# Altium PCB DAC_Sources.PcbDoc (part 7 of 8) (continued)
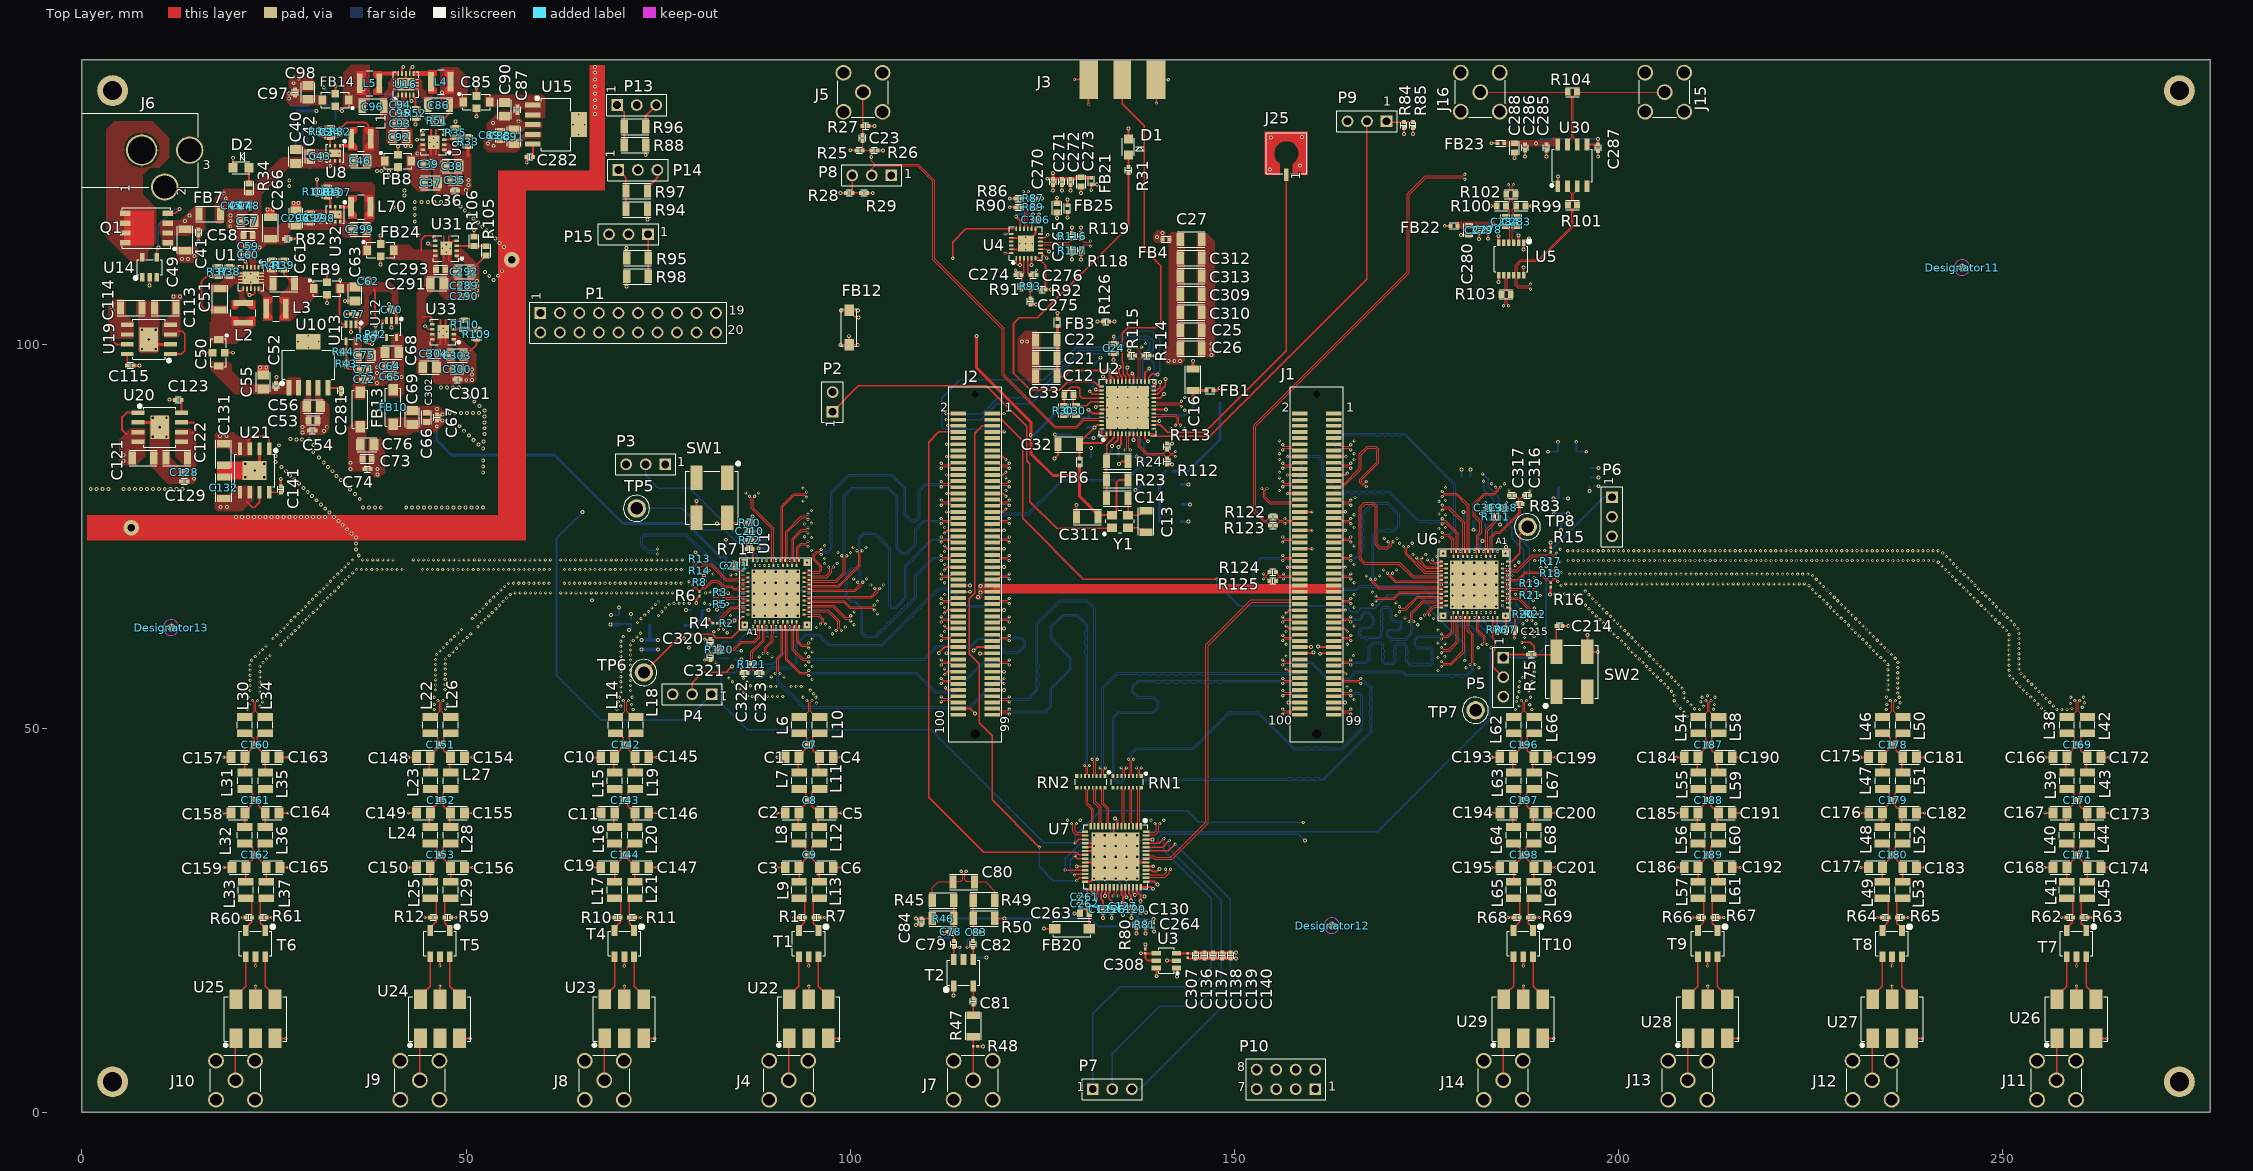
[diagram p0: Top Layer view]
## Nets (pads, with @x,y where several pads share a name; then routed paths per layer and width w, separated by ;. In a path a pad name is that pad's centre, name@x,y a point inside that pad or via, vN(x,y) a via of type N, cw(c..) or ccw(c..) an arc to the next point about the centre after c; other vN are vias at no path point) (continued)
  Top Layer w0.191: v1(120.15,114.34) U4.19@120.97,114.34
  SIG_03 w0.152: P14.2@72.37,122.67 80.7,114.34 v1(120.15,114.34)
S2_1: P13.2 U4.24 | length 63.7
  Top Layer w0.191: v1(120.15,111.84) U4.24@120.97,111.84
  SIG_03 w0.152: P13.2@72.21,131.11 72.21,124.44 71.09,123.32 71.09,122 81.25,111.84 v1(120.15,111.84)
SDO: J2.6 U1.B27 U2.23 U6.B27 U7.17 | length 272.6
  Top Layer w0.191: v1(112.67,89.41) 112.692,89.388 114.053,89.388 J2.6@114.075,89.367 ; v1(129.28,35.09) 129.726,35.536 U7.17@130.6,35.536 ; U2.23@139.52,93.98 139.9,93.98 140.33,94.41 v2(140.33,95.05)
  SIG_03 w0.152: v3(89.43,71.168) 89.73,71.468 89.73,72.26 89.14,72.85 87.8,72.85 85.565,75.085 85.565,81.99 88.315,84.74 101.47,84.74 106.14,89.41 v1(112.67,89.41) ; v2(140.33,95.05) 140.33,93.253 140.057,92.98 140.057,92.498 140.478,92.078 141.242,92.078 142.35,90.97 146.73,90.97 146.96,90.74 172.02,90.74 178.58,84.18 178.58,72.7 178.97,72.31 178.97,64.15 179.227,63.893 181.83,63.893 ; v1(158.96,37.76) 168.97,37.76 178.08,46.87 178.08,59.41 181.83,63.16 181.83,63.893 ; v3(182.13,65.05) 181.83,64.75 181.83,63.893
  Bottom Layer w0.191: v3(89.43,71.168) 89.43,70.02 89.63,69.82 89.63,65.62 89.9,65.35 92.13,65.35 92.43,65.05 92.43,64.25 91.53,63.35 91.53,59.95 89.93,58.35 85.59,58.35 85.24,58 85.24,57.46 84.98,57.2 83.46,57.2 83.2,56.94 83.2,53.28 86.65,49.83 110.48,49.83 125.22,35.09 v1(129.28,35.09) 129.28,36.031 132.519,39.27 143.84,39.27 145.35,37.76 v1(158.96,37.76)
SP_SDFS: J2.8 U7.21 | length 74.1
  Top Layer w0.191: J2.8@114.075,88.567 111.537,88.567 110.21,87.24 110.21,41.03 117.37,33.87 129.42,33.87 129.754,33.536 U7.21@130.6,33.536
SPI_CLK: J2.2 U1.A31 U2.24 U6.A31 U7.22 U7.26 | length 246.4
  Top Layer w0.191: v1(112.493,90.967) J2.2@114.075,90.967 ; v1(129.2,30.89) 129.346,31.036 U7.26@130.6,31.036 ; v1(129.24,33.4) 129.604,33.036 U7.22@130.6,33.036 ; U2.24@139.52,94.48 v2(139.52,95.06)
  SIG_03 w0.152: v3(88.53,71.89) 88.16,72.26 87.38,72.26 84.93,74.71 84.93,82.62 87.96,85.65 100.97,85.65 106.287,90.967 v1(112.493,90.967) ; v2(139.52,95.06) 140.033,95.573 140.169,95.573 141.117,96.52 178.07,96.52 182.96,91.63 182.96,82.67 v1(182.44,82.15) ; v2(159.18,35.39) 169.73,35.39 178.58,44.24 178.58,59.12 183.03,63.57 v3(183.03,64.4)
  Bottom Layer w0.191: v1(112.493,90.967) 117.177,90.967 119.2,92.99 123.69,92.99 129.87,99.17 134.03,99.17 135.9,101.04 138.82,101.04 139.43,100.43 139.43,99.25 139.065,98.885 139.065,97.935 139.504,97.496 139.504,95.076 v2(139.52,95.06) ; v1(129.2,30.89) 128.63,31.46 128.63,32.8 129.23,33.4 v1(129.24,33.4) 129.24,33.41 129.81,33.98 138.812,33.98 140.097,35.265 140.097,35.767 140.53,36.2 158.37,36.2 v2(159.18,35.39) ; v1(182.44,82.15) 182.44,81.05 183.771,79.719 183.771,78.499 186.12,76.15 186.12,74.78 187.66,73.24 187.66,69.154 187.906,68.907 187.906,65.313 187.66,65.066 187.66,65.06 186.349,63.749 183.681,63.749 v3(183.03,64.4)
SPI_LE: J2.7 U2.25 | length 52.8
  Top Layer w0.191: J2.7@118.475,88.567 v1(120.057,88.567) ; U2.25@138.87,95.13 138.87,95.71 139.299,96.139 139.49,96.139 139.538,96.091 139.919,96.091 v2(139.98,96.03)
  Bottom Layer w0.191: v1(120.057,88.567) 119.704,88.92 112.31,88.92 111.89,89.34 111.89,92.97 114.26,95.34 125.17,95.34 129.4,99.57 133.7,99.57 135.8,101.67 139.24,101.67 140.3,100.61 140.3,96.436 139.98,96.116 v2(139.98,96.03)
SPI_MISO: J2.4 U1.A30 U2.22 U6.A30 U7.25 | length 249.3
  Top Layer w0.191: v1(112.493,90.167) J2.4@114.075,90.167 ; v1(127.98,31.56) 127.992,31.548 130.588,31.548 U7.25@130.6,31.536 ; U2.22@139.52,93.48 139.99,93.48 141.03,94.52 v2(141.03,95.48)
  SIG_03 w0.152: v3(89.13,71.89) 88.5,72.52 87.62,72.52 85.286,74.854 85.286,82.195 88.411,85.32 101.22,85.32 106.067,90.167 v1(112.493,90.167) ; v2(141.03,95.48) 141.44,95.89 177.47,95.89 182.34,91.02 182.34,83.12 v1(182.325,83.105) v1@182.31,83.09
  Bottom Layer w0.191: v1(112.493,90.167) 116.977,90.167 119.07,92.26 123.59,92.26 130.066,98.736 134.388,98.736 136.302,100.65 138.54,100.65 139.01,100.18 139.01,99.474 138.098,98.562 138.098,95.162 138.98,94.28 140.663,94.28 140.774,94.392 141.041,94.658 141.041,95.469 v2(141.03,95.48) ; v1(127.98,31.56) 127.98,33.03 130.31,35.36 137.92,35.36 139.099,36.539 168.639,36.539 183.33,51.23 183.33,59.72 184.09,60.48 184.09,61.28 181.83,63.54 181.83,64.04 182.19,64.4 v3(182.43,64.4) 182.43,63.9 182.99,63.34 186.547,63.34 188.37,65.163 188.37,73.52 186.52,75.37 186.52,76.63 184.398,78.752 184.398,80.07 183.03,81.438 183.03,82.4 v1(182.325,83.105)
SPI_VDDIO: C261.1 C262.1 C263.1 FB20.2 U7.29 | length 6
  Top Layer w0.254: FB20.2@131.11,23.91 131.11,25.9 C263.1@131.12,25.91 130.8,26.23 C262.1@130.8,27.17 C261.1@130.8,28.1 130.8,28.836 130.992,29.029 131.3,29.029 U7.29@131.3,29.336
SYNC: J25.1 U2.14 | length 45
  Top Layer w0.191: U2.14@139.52,89.48 140.37,89.48 141.34,88.51 146.14,88.51 156.77,99.14 J25.1@156.77,122.055
SYNC_DAC1_BUF_N: R101.1 U1.B5 U5.10 U30.2 | length 228.3
  Top Layer w0.127: v1(89.322,59.735) 89.107,59.951 89.107,60.469 89.96,61.323 89.96,62.141 90.03,62.211 U1.B5@90.03,63.868 ; v1(188.52,107.147) 188.304,107.363 186.863,107.363 186.561,107.666 186.561,108.524 186.35,108.735 186.35,109.205 186.561,109.416 186.561,110.294 187.255,110.989 189.519,110.989 191.278,112.748 193.896,115.366 193.896,117.624 R101.1@193.41,118.11 193.41,118.185 193.722,118.497 193.797,118.497 193.886,118.586 193.886,119.554 193.365,120.075 U30.2@193.365,120.545
  SIG_03 w0.102: v1(89.322,59.735) 89.107,59.951 89.107,60.987 88.523,61.57 87.377,61.57 85.98,61.57 83.48,64.07 83.48,70.65 83.346,70.784 79.161,74.969 70.575,74.969 55.24,90.303 55.24,104.75 58.7,108.21 118.864,108.21 122.013,111.36 123.6,111.36 125.17,109.79 145.357,109.79 147.783,107.363 188.304,107.363 v1(188.52,107.147)
SYNC_DAC1_BUF_P: R101.2 U1.A5 U5.11 U30.3 | length 227.7
  Top Layer w0.127: v1(88.662,59.735) 88.878,59.951 88.878,60.564 89.731,61.417 89.731,62.236 89.801,62.306 89.801,63.007 89.791,63.017 89.791,63.157 U1.A5@89.73,63.218 ; v1(188.52,107.808) 188.304,107.592 186.958,107.592 186.789,107.761 186.789,108.524 187,108.735 187,109.205 186.789,109.416 186.789,110.199 187.35,110.76 189.613,110.76 194.124,115.271 194.124,117.624 R101.2@194.61,118.11 194.61,118.185 194.298,118.497 194.223,118.497 194.114,118.606 194.114,119.594 194.354,119.834 194.394,119.834 194.635,120.075 U30.3@194.635,120.545
  SIG_03 w0.102: v1(88.662,59.735) 88.878,59.951 88.878,60.892 88.429,61.341 87.472,61.341 85.98,61.341 85.885,61.341 83.251,63.975 83.251,70.555 79.067,74.74 70.48,74.74 55.011,90.209 55.011,104.845 58.606,108.439 118.769,108.439 121.919,111.589 123.695,111.589 125.265,110.019 145.451,110.019 145.611,109.859 147.878,107.592 188.304,107.592 v1(188.52,107.808)
SYNC_DAC2_BUF_N: R103.1 U5.9 U6.B5 | length 43.3
  Top Layer w0.127: U6.B5@181.53,72.35 181.53,75.104 181.967,75.542 181.967,76.757 181.111,77.613 181.111,79.225 182.495,80.609 183.753,80.609 184.196,81.052 184.196,81.166 v1(183.98,81.382) ; U5.9@185.7,108.97 185.7,108.735 185.484,108.519 185.484,106.966 R103.1@185.97,106.48 185.484,105.994 185.484,105.206 v1(185.7,104.99)
  SIG_03 w0.102: v1(183.98,81.382) 184.196,81.598 184.196,105.649 184.391,105.845 184.775,106.229 185.192,106.229 185.484,105.937 185.484,105.206 v1(185.7,104.99)
SYNC_DAC2_BUF_P: R103.2 U5.8 U6.A5 | length 41.9
  Top Layer w0.127: U6.A5@181.83,73 181.769,73.061 181.769,73.201 181.759,73.211 181.759,75.01 182.196,75.447 182.196,76.851 181.34,77.707 181.34,79.13 182.59,80.38 183.847,80.38 184.424,80.957 184.424,81.166 v1(184.64,81.382) ; v1(185.04,104.99) 185.256,105.206 185.256,105.994 R103.2@184.77,106.48 185.256,106.966 185.256,108.529 185.05,108.735 U5.8@185.05,108.97
  SIG_03 w0.102: v1(184.64,81.382) 184.424,81.598 184.424,105.554 184.62,105.75 184.87,106 185.098,106 185.256,105.842 185.256,105.206 v1(185.04,104.99)
SYNC_DAC_C_N: C284.2 U5.4 | length 2.5
  Top Layer w0.127: C284.2@185.26,115.34 185.324,115.277 185.436,115.277 185.873,114.84 185.873,113.642 185.846,113.615 185.846,113.332 U5.4@185.7,113.186
SYNC_DAC_C_P: C283.2 U5.3 | length 2.5
  Top Layer w0.127: U5.3@186.35,113.186 186.204,113.332 186.204,113.615 186.177,113.642 186.177,114.84 186.614,115.277 186.716,115.277 C283.2@186.78,115.34
SYNC_DAC_N: C284.1 R100.2 R102.1 R123.2 | length 75
  Top Layer w0.127: R123.2@154.638,76.397 154.574,76.461 154.574,76.498 154.22,76.853 153.824,76.853 152.541,78.135 152.541,89.425 172.53,109.413 172.53,119.563 174.861,121.895 179.784,121.895 v1(180,122.11) ; C284.1@185.26,116.54 185.868,117.148 185.868,117.462 R100.2@185.34,117.99 185.868,118.518 185.868,119.032 R102.1@185.4,119.5 185.848,119.948 185.848,120.592 v1(185.67,120.77)
  SIG_03 w0.102: v1(180,122.11) 180.216,121.895 181.195,121.895 183.901,119.189 185.556,119.189 185.886,119.518 185.886,120.554 v1(185.67,120.77)
SYNC_DAC_P: C283.1 R99.2 R102.2 R122.2 | length 74.6
  Top Layer w0.127: R122.2@154.638,77.537 154.574,77.474 154.574,77.436 154.22,77.081 153.919,77.081 152.77,78.23 152.77,89.33 172.759,109.319 172.759,119.469 174.956,121.666 179.784,121.666 v1(180,121.45) ; v1(186.33,120.77) 186.152,120.592 186.152,119.948 R102.2@186.6,119.5 186.172,119.072 186.172,118.518 R99.2@186.7,117.99 186.172,117.462 186.172,117.148 C283.1@186.78,116.54
  SIG_03 w0.102: v1(180,121.45) 180.216,121.666 181.1,121.666 183.806,118.96 185.651,118.96 185.718,119.027 186.114,119.423 186.114,120.554 v1(186.33,120.77)
TEST_MODE: U2.33 | length 1.4
  Top Layer w0.191: v2(134.45,96.39) 134.494,96.346 134.494,96.056 134.87,95.68 U2.33@134.87,95.13
TEST_OUTA: R126.1 U2.30 | length 9.3
  Top Layer w0.191: R126.1@133.68,102.93 133.685,102.925 134.375,102.925 v2(134.38,102.92) ; v2(136.08,96.98) 136.08,96.13 136.37,95.84 U2.30@136.37,95.13
  SIG_03 w0.191: v2(134.38,102.92) 135.27,102.03 135.27,98.42 136.08,97.61 v2(136.08,96.98)
V+U5: C277.1 C278.1 C279.1 C280.1 FB22.2 U5.2 | length 5.8
  Top Layer w0.254: v2(186.99,114.13) 186.995,114.125 186.995,113.191 U5.2@187,113.186
  Bottom Layer w0.254: v2(183.68,115.56) 185.56,115.56 v2(186.99,114.13) 186.99,113.21 C277.1@186.96,113.18
VBB: C269.1 R92.2 U2.48 U4.6 | length 29.6
  Top Layer w0.23: U4.6@124.12,111.19 124.5,111.19 125.42,110.27 R92.2@125.42,107.11
  Top Layer w0.24: v2(132.47,88.07) 132.72,88.32 U2.48@132.72,88.98
  Top Layer w0.254: R92.2@125.42,107.11 v2(126.16,107.11)
  SIG_03 w0.254: v2(126.16,107.11) 126.16,102.3 131.05,97.41 131.05,95.839 132.73,94.159 132.73,88.33 v2(132.47,88.07)
  Bottom Layer w0.254: v2(132.47,88.07) 133.01,88.61 C269.1@133.01,89
VCC1_PLL: C28.1 C29.1 C314.1 C315.1 FB5.2 U2.5 U2.39 U2.42 | length 36.5
  Top Layer w0.24: v2(131.176,93.86) 131.213,93.86 131.593,93.48 U2.39@132.72,93.48 ; v2(131.96,91.8) 132.033,91.8 132.213,91.98 U2.42@132.72,91.98 ; 135.27,88.015 135.37,88.115 U2.5@135.37,88.33
  Top Layer w0.254: v2(134.9,86.62) 135.27,86.99 135.27,88.015
  SIG_03 w0.381: v2(131.176,93.86) 131.96,93.076 v2(131.96,91.8) 131.611,91.451 131.611,90.74 130.798,89.927 130.798,85.872 131.45,85.22 132.96,85.22 ; v2(134.9,86.62) 133.5,85.22 132.96,85.22 ; v2(137.12,81.04) 135.815,81.04 132.96,83.895 132.96,85.22
  Bottom Layer w0.254: v2(134.9,86.62) 134.9,85.42 C28.1@134.97,85.35
  Bottom Layer w0.381: v2(137.12,81.04) 137.82,81.74 C315.1@140.23,81.74 ; C314.1@140.23,76.94 C29.1@140.23,79.34 C315.1@140.23,81.74 ; FB5.2@141.12,83.48 140.51,82.87 140.51,82.02 C315.1@140.23,81.74
VCC_AUX_IN: C17.1 C18.1 FB2.2 U2.44 | length 8.2
  Top Layer w0.24: v2(131.04,91.46) 131.52,90.98 U2.44@132.72,90.98
  Bottom Layer w0.24: C18.1@128.71,91.04 129.065,90.685 129.535,90.685 129.79,90.43 C17.1@131.27,90.43 131.04,90.66 v2(131.04,91.46)
  Bottom Layer w0.381: FB2.2@126.6,91.8 127.35,91.8 127.825,91.325 128.425,91.325 C18.1@128.71,91.04
VCC_AUX_OUT: C15.1 C16.1 FB1.2 U2.15 | length 11
  Top Layer w0.254: U2.15@139.52,89.98 v2(140.23,89.98)
  Top Layer w0.381: v2(144.62,92.62) C16.1@144.62,93.96 144.63,93.95 FB1.2@146.39,93.95
  Bottom Layer w0.254: C15.1@139.59,89.15 139.59,89.34 v2(140.23,89.98) 140.23,90.26 140.7,90.73 143.52,90.73 144.62,91.83 v2(144.62,92.62)
VCC_DS: C285.1 C286.1 C287.1 C288.1 FB23.2 U30.5 U30.8 | length 10.5
  Top Layer w0.254: U30.5@195.905,125.955 195.91,125.96 C287.1@197.35,125.96 v2@197.35,126.71
  Bottom Layer w0.254: v2(189.275,126.125) 189.865,126.715 v2(197.345,126.715)
VCC_IN_PRI: C31.1 C32.1 FB6.2 U2.1 U2.47 | length 11.5
  Top Layer w0.24: FB6.2@129.84,85.1 C32.1@129.84,86.92 ; U2.47@132.72,89.48 132.14,89.48 v2(131.82,89.16) 129.84,87.18 C32.1@129.84,86.92 ; U2.1@133.37,88.33 133.37,87.74 132.75,87.12 130.04,87.12 C32.1@129.84,86.92
  Bottom Layer w0.24: C31.1@130.74,89 130.9,89.16 v2(131.82,89.16)
VCC_OUT: C24.1 C25.1 C26.1 C27.1 C309.1 C310.1 C312.1 C313.1 FB4.2 U2.8 U2.11 U2.18 U2.21 U2.26 U2.29 U2.32 | length 11.1
  Top Layer w0.24: v2(135.04,97.03) 135,96.99 135,96.11 135.37,95.74 U2.32@135.37,95.13 ; v2(136.71,96.2) 136.87,96.04 U2.29@136.87,95.13 ; v2(136.87,87.53) U2.8@136.87,88.33 ; U2.11@138.37,88.33 138.37,87.77 v2(138.78,87.36) ; U2.26@138.37,95.13 138.37,96.3 138.89,96.82 v2(138.92,96.82) ; U2.18@139.52,91.48 141.09,91.48 v2(141.12,91.51) ; U2.21@139.52,92.98 140.3,92.98 v2(140.82,93.5)
  Top Layer w0.254: v2(134.29,97.93) 134.29,98.82 C24.1@134.3,98.83
  other v2: 141.45,97.79 142.18,97.79 142.91,97.79
VCC_VCO: C12.1 C20.1 C21.1 C22.1 FB3.2 U2.34 U2.35 | length 17.3
  Top Layer w0.254: C12.1@126.97,95.85 C12.1@126.91,95.79 127.92,95.79 128.7,96.57 v2(133.67,96.57) 133.67,96.12 134.02,95.77 ; U2.35@133.87,95.13 133.87,95.62 134.02,95.77 ; U2.34@134.37,95.13 134.37,95.42 134.02,95.77
  Top Layer w0.381: C12.1@126.97,95.85 126.97,98.16 126.97,100.52 FB3.2@126.97,102.38
  Bottom Layer w0.254: v2(133.67,96.57) 133.67,95.63 C20.1@133.81,95.49
VCCO_13: C289.2 C290.1 C292.2 C300.2 C301.1 C303.2 J1.77 J1.78 J1.79 J1.80 J2.77 J2.78 J2.79 J2.80 J2.98 R105.2 R109.2 U31.1 U31.2 U33.1 U33.2 | length 22.4
  Top Layer w0.254: 50.37,98.91 51.39,99.93 R109.2@51.39,100.69 ; 51.37,110.06 51.37,110.3 R105.2@52.62,111.55 ; v2(111.53,59.78) 111.53,59.83 112.267,60.567 J2.78@114.075,60.567 ; v2@112.547,59.767 J2.80@114.075,59.767 ; J2.98@114.075,52.567 115.633,52.567 116.23,51.97 v2(116.23,51.91) ; v2(116.05,60.1) 116.517,60.567 J2.77@118.475,60.567 ; v2(116.9,59.74) 116.913,59.753 118.462,59.753 J2.79@118.475,59.767 ; J1.80@158.525,59.767 160.217,59.767 v2(160.3,59.85) ; J1.78@158.525,60.567 v2(159.967,60.567) ; v2(160.9,60.62) 160.953,60.567 J1.77@162.925,60.567 ; v2(161.13,59.7) 161.197,59.767 J1.79@162.925,59.767
  other v2: 112.543,59.77 50.03,95.35 50.77,95.35 50.77,96.05 50.77,96.7 51.42,106.31 51.42,106.97 51.42,107.59 51.42,108.23
VDD: C265.1 C306.1 FB25.2 U4.8 U4.11 U4.14 U4.17 | length 9.8
  Top Layer w0.23: v2(121.61,116.59) 122.12,116.08 U4.17@122.12,114.99 ; U4.14@123.62,114.99 123.62,116.02 C306.1@123.77,116.17 v2(123.77,116.9) ; U4.8@124.77,112.34 125.55,112.34 v2(125.85,112.04) ; U4.11@124.77,113.84 125.32,113.84 v2(125.71,114.23) ; v2(126.91,116.39) C265.1@126.91,117.12 ; v2(128.27,116.45) FB25.2@128.27,117.18
  Bottom Layer w0.381: v2(121.61,116.59) 121.92,116.9 v2(123.77,116.9)
VIN_A_N: C80.1 R45.2 U7.36 | length 31.9
  Top Layer w0.127: R45.2@110.69,27.59 110.69,29.22 111.47,30 C80.1@113.38,30 113.443,30.064 114.413,30.064 114.666,30.316 114.666,31.174 v1(114.45,31.39) ; U7.36@134.8,29.336 134.8,29.006 134.702,28.908 134.702,28.384 134.88,28.206 v1(134.88,28.17)
  SIG_03 w0.102: v1(114.45,31.39) 114.666,31.606 114.666,32.089 114.8,32.223 114.871,32.295 115.005,32.429 116.991,32.429 119.901,29.519 134.355,29.519 134.664,29.209 134.664,28.386 v1(134.88,28.17)
VIN_A_P: C80.2 R49.2 U7.35 | length 30.8
  Top Layer w0.127: v1(115.11,31.39) 114.894,31.174 114.894,30.296 115.127,30.064 116.116,30.064 C80.2@116.18,30 117.65,30 118.83,28.82 R49.2@118.83,27.62 ; v1(134.22,28.17) 134.22,28.206 134.398,28.384 134.398,28.908 134.3,29.006 U7.35@134.3,29.336
  SIG_03 w0.102: v1(115.11,31.39) 114.894,31.606 114.894,31.994 115.1,32.2 116.897,32.2 119.807,29.29 134.26,29.29 134.436,29.114 134.436,28.386 v1(134.22,28.17)
VIN_HDR: C41.1 C49.1 FB7.1 J1.57 J1.58 J1.59 J1.60 J2.12 J2.57 J2.58 J2.59 J2.60 Q1.1@11.159,113.205 Q1.2@11.159,114.475 Q1.3@11.159,115.745 | length 4.6
  Top Layer w0.254: v1@112.547,86.967 J2.12@114.075,86.967 ; J2.60@114.075,67.767 v2@115.603,67.767 ; J2.58@114.075,68.567 v2@115.603,68.567
  other v1: 112.543,86.963
  other v2: 116.64,67.07 116.95,67.7 115.607,67.77 116.95,68.5 115.607,68.57 13.45,116.05 14.02,116.72
VREF: C308.1 R9.1 U3.4 U3.5 U7.31 | length 20.2
  Top Layer w0.254: v2(132,27.72) 132.046,27.766 132.046,28.378 132.15,28.482 132.15,28.777 132.3,28.927 U7.31@132.3,29.336 ; v2(137.84,20.72) C308.1@138.43,20.72 ; U3.5@139.85,19.76 138.73,19.76 138.43,20.06 C308.1@138.43,20.72 ; U3.4@139.85,20.71 138.44,20.71 C308.1@138.43,20.72
  SIG_03 w0.254: v2(132,27.72) 131.33,27.72 131.03,27.42 131.03,23.94 134.25,20.72 v2(137.84,20.72)
  Bottom Layer w0.254: v2(132,27.72) 132,27.789 132.317,28.106 132.317,28.917 R9.1@132.45,29.05
VXP0_N: J1.97 P10.4 | length 60.8
  Top Layer w0.127: J1.97@162.925,52.567 163.675,52.567 163.862,52.38 163.862,52.356 163.936,52.281 164.931,52.281 v1(165.147,52.497)
  SIG_03 w0.102: P10.4@157.98,5.58 159.136,4.424 161.614,4.424 162.89,5.7 162.89,7.34 157.77,12.46 157.77,42.51 163.251,47.991 163.251,51.475 164.058,52.281 164.931,52.281 v1(165.147,52.497)
VXP0_P: J1.99 P10.3 | length 60.8
  Top Layer w0.127: J1.99@162.925,51.767 163.675,51.767 163.862,51.953 163.862,51.962 163.953,52.053 164.931,52.053 v1(165.147,51.837)
  SIG_03 w0.102: P10.3@157.98,3.04 159.136,4.196 161.709,4.196 163.119,5.605 163.119,7.435 157.999,12.555 157.999,42.415 163.48,47.897 163.48,51.38 164.153,52.053 164.931,52.053 v1(165.147,51.837)
pads on no net: Designator11.1 Designator12.1 Designator13.1 Designator14.1 Designator15.1 Designator16.1 J1.1 J1.2 J1.3 J1.4 J1.5 J1.6 J1.7 J1.8 J1.9 J1.10 J1.27 J1.45 J1.MH1 J2.9 J2.10 J2.11 J2.13 J2.14 J2.100 J2.MH1 Q1.1@11.095,113.205 Q1.2@11.095,114.475 Q1.3@11.095,115.745 Q1.4@11.095,117.015 Q1.5 Q1.6 Q1.7 Q1.8 RN1.7 RN1.8 RN1.9 RN1.10 RN2.7 RN2.8 RN2.9 RN2.10 SW1.1 SW1.3 SW2.1 SW2.3 T2.4 T3.4 U1.C5@88.33,65.518 U1.C5@88.33,67.518 U1.C5@88.33,69.518 U1.C5@90.33,65.518 U1.C5@90.33,67.518 U1.C5@90.33,69.518 U1.C5@92.33,65.518 U1.C5@92.33,67.518 U1.C5@92.33,69.518 U2.13 U2.49@134.125,89.735 U2.49@134.125,91.065 U2.49@134.125,92.395 U2.49@134.125,93.725 U2.49@135.455,89.735 U2.49@135.455,91.065 U2.49@135.455,92.395 U2.49@135.455,93.725 U2.49@136.785,89.735 U2.49@136.785,91.065 U2.49@136.785,92.395 U2.49@136.785,93.725 U2.49@138.115,89.735 U2.49@138.115,91.065 U2.49@138.115,92.395 U2.49@138.115,93.725 U4.12 U4.21 U4.22 U4.25@122.29,112.51 U4.25@122.29,113.67 U4.25@123.45,112.51 U4.25@123.45,113.67 U5.5 U6.C5@179.23,66.7 U6.C5@179.23,68.7 U6.C5@179.23,70.7 U6.C5@181.23,66.7 U6.C5@181.23,68.7 U6.C5@181.23,70.7 U6.C5@183.23,66.7 U6.C5@183.23,68.7 U6.C5@183.23,70.7 U7.57@132.098,30.834 U7.57@132.098,32.47 U7.57@132.098,34.106 U7.57@132.098,35.742 U7.57@133.734,30.834 U7.57@133.734,32.47 U7.57@133.734,34.106 U7.57@133.734,35.742 U7.57@135.37,30.834 U7.57@135.37,32.47 U7.57@135.37,34.106 U7.57@135.37,35.742 U7.57@137.006,30.834 U7.57@137.006,32.47 U7.57@137.006,34.106 U7.57@137.006,35.742 U8.7@32.51,124.83 U8.7@33.41,124.83 U9.7@45.45,124.94 U9.7@45.45,127.614 U9.7@45.775,126.277 U9.7@46.1,124.94 U9.7@46.1,127.614 U11.11@20.525,108.005 U11.11@20.525,108.415 U11.11@20.525,108.825 U11.11@20.525,109.235 U11.11@21.415,108.62 U11.11@22.605,108.62 U11.11@23.495,108.005 U11.11@23.495,108.415 U11.11@23.495,108.825 U11.11@23.495,109.235 U14.1 U14.3 U16.11@40.7,133.205 U16.11@40.7,133.615 U16.11@40.7,134.025 U16.11@40.7,134.435 U16.11@41.59,133.82 U16.11@42.78,133.82 U16.11@43.67,133.205 U16.11@43.67,133.615 U16.11@43.67,134.025 U16.11@43.67,134.435 U22.2 U23.2 U24.2 U25.2 U26.2 U27.2 U28.2 U29.2 U30.4 U31.7@47.42,112.465 U31.7@47.095,111.128 U31.7@47.095,113.802 U31.7@47.745,111.128 U31.7@47.745,113.802 U32.7@32.53,116.88 U32.7@33.43,116.88 U33.7@46.695,100.253 U33.7@46.695,102.927 U33.7@47.02,101.59 U33.7@47.345,100.253 U33.7@47.345,102.927

## Polygon pours and split planes (outlines as drawn)
VIN_HDR on Top Layer "VIN_HDR_L01_P101" (solid, remove dead copper, pour order 101): 118.04,68.83 116.78,68.83 116.65,68.7 116.65,67.49 116.34,67.18 116.34,66.85 116.44,66.75 116.91,66.75 117.21,67.05 117.21,67.46 117.31,67.56 118.53,67.56 118.53,68.78
1.2VCLK_DAC1 on Top Layer "1.2VCLK_DAC1_L01_P100" (solid, remove dead copper, pour order 100): 35.57,90.12 34.65,89.2 34.65,83.61 34.81,83.45 36.89,83.45 37.04,83.6 37.04,89.97 36.89,90.12
6V_IN on Top Layer "6V_IN_L01_P002" (solid, remove dead copper, pour order 2): 8.19,110.76 8.55,111.12 8.55,112.03 9.69,113.17 9.69,117.7 7.91,119.48 7.91,121.95 8.93,122.97 10.06,122.97 11.36,124.27 11.36,126.87 9.21,129.02 4.24,129.02 3.16,127.94 3.16,113.9 6.3,110.76
GND on Top Layer "GND_L01_P097" (solid, remove dead copper, pour order 97): 30.09,132.87 30.38,133.16 30.38,134.21 29.55,135.04 27.59,135.04 26.96,134.41 26.96,133.44 27.53,132.87
GND on Top Layer "GND_L01_P032" (solid, remove dead copper, pour order 32): 41.2,128.56 41.2,131.29 41.07,131.42 41.05,131.4 39.94,131.4 39.75,131.59 39.75,131.9 40.9,133.05 43.19,133.05 44.53,131.71 44.53,130.51 44.65,130.39 45.46,130.39 45.69,130.62 45.69,132.59 45.26,133.02 44.62,133.02 44.32,133.32 44.32,134.29 43.97,134.64 40.407,134.64 39.87,134.103 39.87,133.265 38.78,132.175 38.78,129.65 39.6,128.83 39.6,126.32 39.88,126.04 40.9,126.04 41.19,126.33
1.8V_DRVDD on Top Layer "1.8V_DRVDD_L01_P073" (solid, remove dead copper, pour order 73): 20.2,81.58 19.07,80.45 17.49,80.45 17.27,80.23 17.27,78.57 17.59,78.25 20.87,78.25 22.28,79.66 22.28,81.41 22.11,81.58
6V on Top Layer "6V_L01_P072" (solid, remove dead copper, pour order 72): 22,85.38 22.18,85.56 22.18,87.26 21.44,88 20.35,88 19.79,88.56 17.57,88.56 17.29,88.28 17.29,86.6 17.45,86.44 18.93,86.44 19.99,85.38
1.8V_AVDD on Top Layer "1.8V_AVDD_L01_P071" (solid, remove dead copper, pour order 71): 12.16,85.34 13.46,84.04 13.46,81.85 14.5,81.85 14.89,82.24 14.89,88.27 14.18,88.98 12.33,88.98 12.16,88.81
6V on Top Layer "6V_L01_P070" (solid, remove dead copper, pour order 70): 7.11,84.25 8.24,85.38 8.24,88.89 8.1,89.03 6.32,89.03 4.84,87.55 4.84,84.76 5.35,84.25
GND on Top Layer "GND_L01_P068" (solid, remove dead copper, pour order 68): 147.29,98.32 145.35,98.32 145.12,98.55 145.12,114.39 145.24,114.51 146.35,114.51 147.47,113.39 147.47,98.5
GND on Top Layer "GND_L01_P067" (solid, remove dead copper, pour order 67): 11.21,81.85 13.01,81.85 13.21,82.05 13.21,83.52 11.42,85.31 11.43,85.83 11.43,90.49 11.2,90.72 9.7,90.72 8.82,89.84 8.82,84.24
3.3V_AVDD on Top Layer "3.3V_AVDD_L01_P066" (solid, remove dead copper, pour order 66): 6.73,102.85 5.71,103.87 5.71,105.48 5.37,105.82 3.99,105.82 3.44,105.27 3.44,101.76 4.48,100.72 6.56,100.72 6.73,100.89
6V on Top Layer "6V_L01_P065" (solid, remove dead copper, pour order 65): 12.84,101.2 12.48,100.84 10.78,100.84 10.49,101.13 10.49,102.73 11.61,103.85 11.61,106.33 11.8,106.52 12.91,106.52 13.06,106.37 13.06,105.84 12.84,105.62
GND on Top Layer "GND_L01_P064" (solid, remove dead copper, pour order 64): 9.87,105.67 10.1,105.44 10.1,99.12 9.81,98.83 7.66,98.83 7.35,99.14 7.35,103.53 7.1,103.78 7.1,105.53 7.24,105.67
GND on Top Layer "GND_L01_P063" (solid, remove dead copper, pour order 63): 29.83,94.95 29.63,95.15 29.39,95.15 29.16,94.92 29.16,93.09 28.41,92.34 28.41,88.28 28.53,88.16 29.59,88.16 29.83,88.4
3.3VA_DAC1 on Top Layer "3.3VA_DAC1_L01_P062" (solid, remove dead copper, pour order 62): 30.41,95.33 30.41,90.75 30.1,90.44 30.1,88.36 30.25,88.21 31.49,88.21 32.18,88.9 32.18,92.09 31.04,93.23 31.04,94.17
NetC50_3 on Top Layer "NETC50_3_L01_P061" (solid, remove dead copper, pour order 61): 16.81,96.57 19.92,93.46 28.29,93.46 28.57,93.74 28.57,95.52 28.42,95.67 26.944,95.67 25.794,94.52 24.57,94.52 24.25,94.84 21.19,94.84 19.49,96.54 19.49,97.35 19.14,97.7 16.98,97.7 16.81,97.53 16.81,97.38
GND on Top Layer "GND_L01_P060" (solid, remove dead copper, pour order 60): 18.53,108.544 18.53,109.03 18.92,109.42 21.69,109.42 21.52,109.25 21.52,107.86 19.92,107.86 18.76,106.7 16.97,106.7 16.66,107.01 16.66,107.68 16.87,107.89 17.876,107.89
NetC50_1 on Top Layer "NETC50_1_L01_P059" (solid, remove dead copper, pour order 59): 20.18,100.04 17.1,100.04 16.67,100.47 16.67,102.85 16.87,103.05 16.87,104.87 17.07,105.07 18.81,105.07 18.86,105.02 18.86,104.36 19.67,103.55 22.55,103.55 22.55,102.41
NetL2_1 on Top Layer "NETL2_1_L01_P058" (solid, remove dead copper, pour order 58): 21.16,107.52 21.16,106.09 21.54,105.71 21.54,105.33 21.25,105.04 20.81,105.04 20.52,105.33 20.52,107.17 20.87,107.52
NetL3_1 on Top Layer "NETL3_1_L01_P057" (solid, remove dead copper, pour order 57): 22.91,107.49 22.91,106.9 23.62,106.19 23.62,103.09 24.76,103.09 24.76,106.13 23.38,107.51 23.04,107.51
GND on Top Layer "GND_L01_P056" (solid, remove dead copper, pour order 56): 37.57,87.82 37.26,87.51 37.26,83.48 38.13,82.61 38.74,82.61 39.42,83.29 39.42,87.25 38.85,87.82
NetC71_2 on Top Layer "NETC71_2_L01_P054" (solid, remove dead copper, pour order 54): 35.97,100.87 36.45,100.39 36.45,95.91 36.64,95.72 36.64,94.88 36.94,94.58 36.94,92.95 36.72,92.73 35.71,92.73 35.29,93.15 35.29,100.75 35.41,100.87
1.2VDIGI_DAC1 on Top Layer "1.2VDIGI_DAC1_L01_P053" (solid, remove dead copper, pour order 53): 37.91,106.8 37.33,106.22 37.33,102.74 36.5,101.91 35.64,101.91 35.4,102.15 35.4,104.07 35.93,104.6 36.24,104.6 36.73,105.09 36.73,106.62 36.54,106.8 34.4,106.8 34.21,106.61 33.11,106.61 32.96,106.76 32.96,107.79 33.24,108.07 40.12,108.07 41.2,106.99 41.2,102.54 41.02,102.36 40.92,102.36 40.63,102.65 40.63,103.651 40.36,103.921 40.36,106.44 40,106.8
NetC61_1 on Top Layer "NETC61_1_L01_P052" (solid, remove dead copper, pour order 52): 29.69,108.71 30.68,107.72 30.68,106.45 27.22,102.99 25.88,102.99 25.78,103.09 25.78,106.4 26.94,107.56 26.94,108.5 27.15,108.71
GND on Top Layer "GND_L01_P050" (solid, remove dead copper, pour order 50): 21.69,109.42 23.64,109.42 24.34,110.12 25.21,110.12 25.46,109.87 25.46,107.04 25.27,106.85 24.35,106.85 23.34,107.86 23,107.86
1.2VDIGI_DAC2 on Top Layer "1.2VDIGI_DAC2_L01_P047" (solid, remove dead copper, pour order 47): 28.33,132.38 28.04,132.67 27.42,132.67 27.15,132.94 26.76,132.94 26.54,132.72 26.54,131.65 27.11,131.08 31.7,131.08 31.91,131.29 31.91,132.27 31.8,132.38
3.3VA_DAC2 on Top Layer "3.3VA_DAC2_L01_P038" (solid, remove dead copper, pour order 38): 57.68,127.63 56.97,126.92 53.51,126.92 53.36,127.07 52.76,127.07 52.3,126.61 52.3,125.55 52.89,124.96 56.55,124.96 57.32,125.73 57.32,126.33 57.71,126.72 59.58,126.72 59.87,127.01 59.87,127.5 59.74,127.63
GND on Top Layer "GND_L01_P037" (solid, remove dead copper, pour order 37): 57.47,128.94 57.01,129.4 57.01,130.32 56.94,130.39 54.38,130.39 52.68,128.69 52.68,127.45 52.86,127.27 56.93,127.27 57.77,128.11 59.7,128.11 59.91,128.32 59.91,128.78 59.75,128.94
NetC85_3 on Top Layer "NETC85_3_L01_P036" (solid, remove dead copper, pour order 36): 55.08,130.88 56.19,130.88 56.42,130.65 57.44,130.65 57.68,130.41 57.68,129.44 57.74,129.38 60.17,129.38 60.29,129.5 60.29,132.12 59.97,132.44 52.58,132.44 52.42,132.28 52.42,130.96 52.51,130.87
3.3VCLK on Top Layer "3.3VCLK_L01_P035" (solid, remove dead copper, pour order 35): 47.583,126.277 46.997,126.277 46.87,126.15 46.87,125.11 47.21,124.77 47.99,124.77 48.5,124.26 48.5,121.96 48.79,121.67 48.79,120.36 48.69,120.26 48.69,119.68 48.96,119.41 49.76,119.41 50.65,120.3 50.65,124.706 50.27,125.086 48.774,125.086